# Altium PCB rev5.PcbDoc (part 4 of 4)
Units mil, origin at the board's own origin, x right, y up, seen from the top; angles counter-clockwise.
Board outline 1000 x 900 mil, 2 copper layers (Top Layer, Bottom Layer); 162 components, 16 nets, 1728 pads, 0 vias.
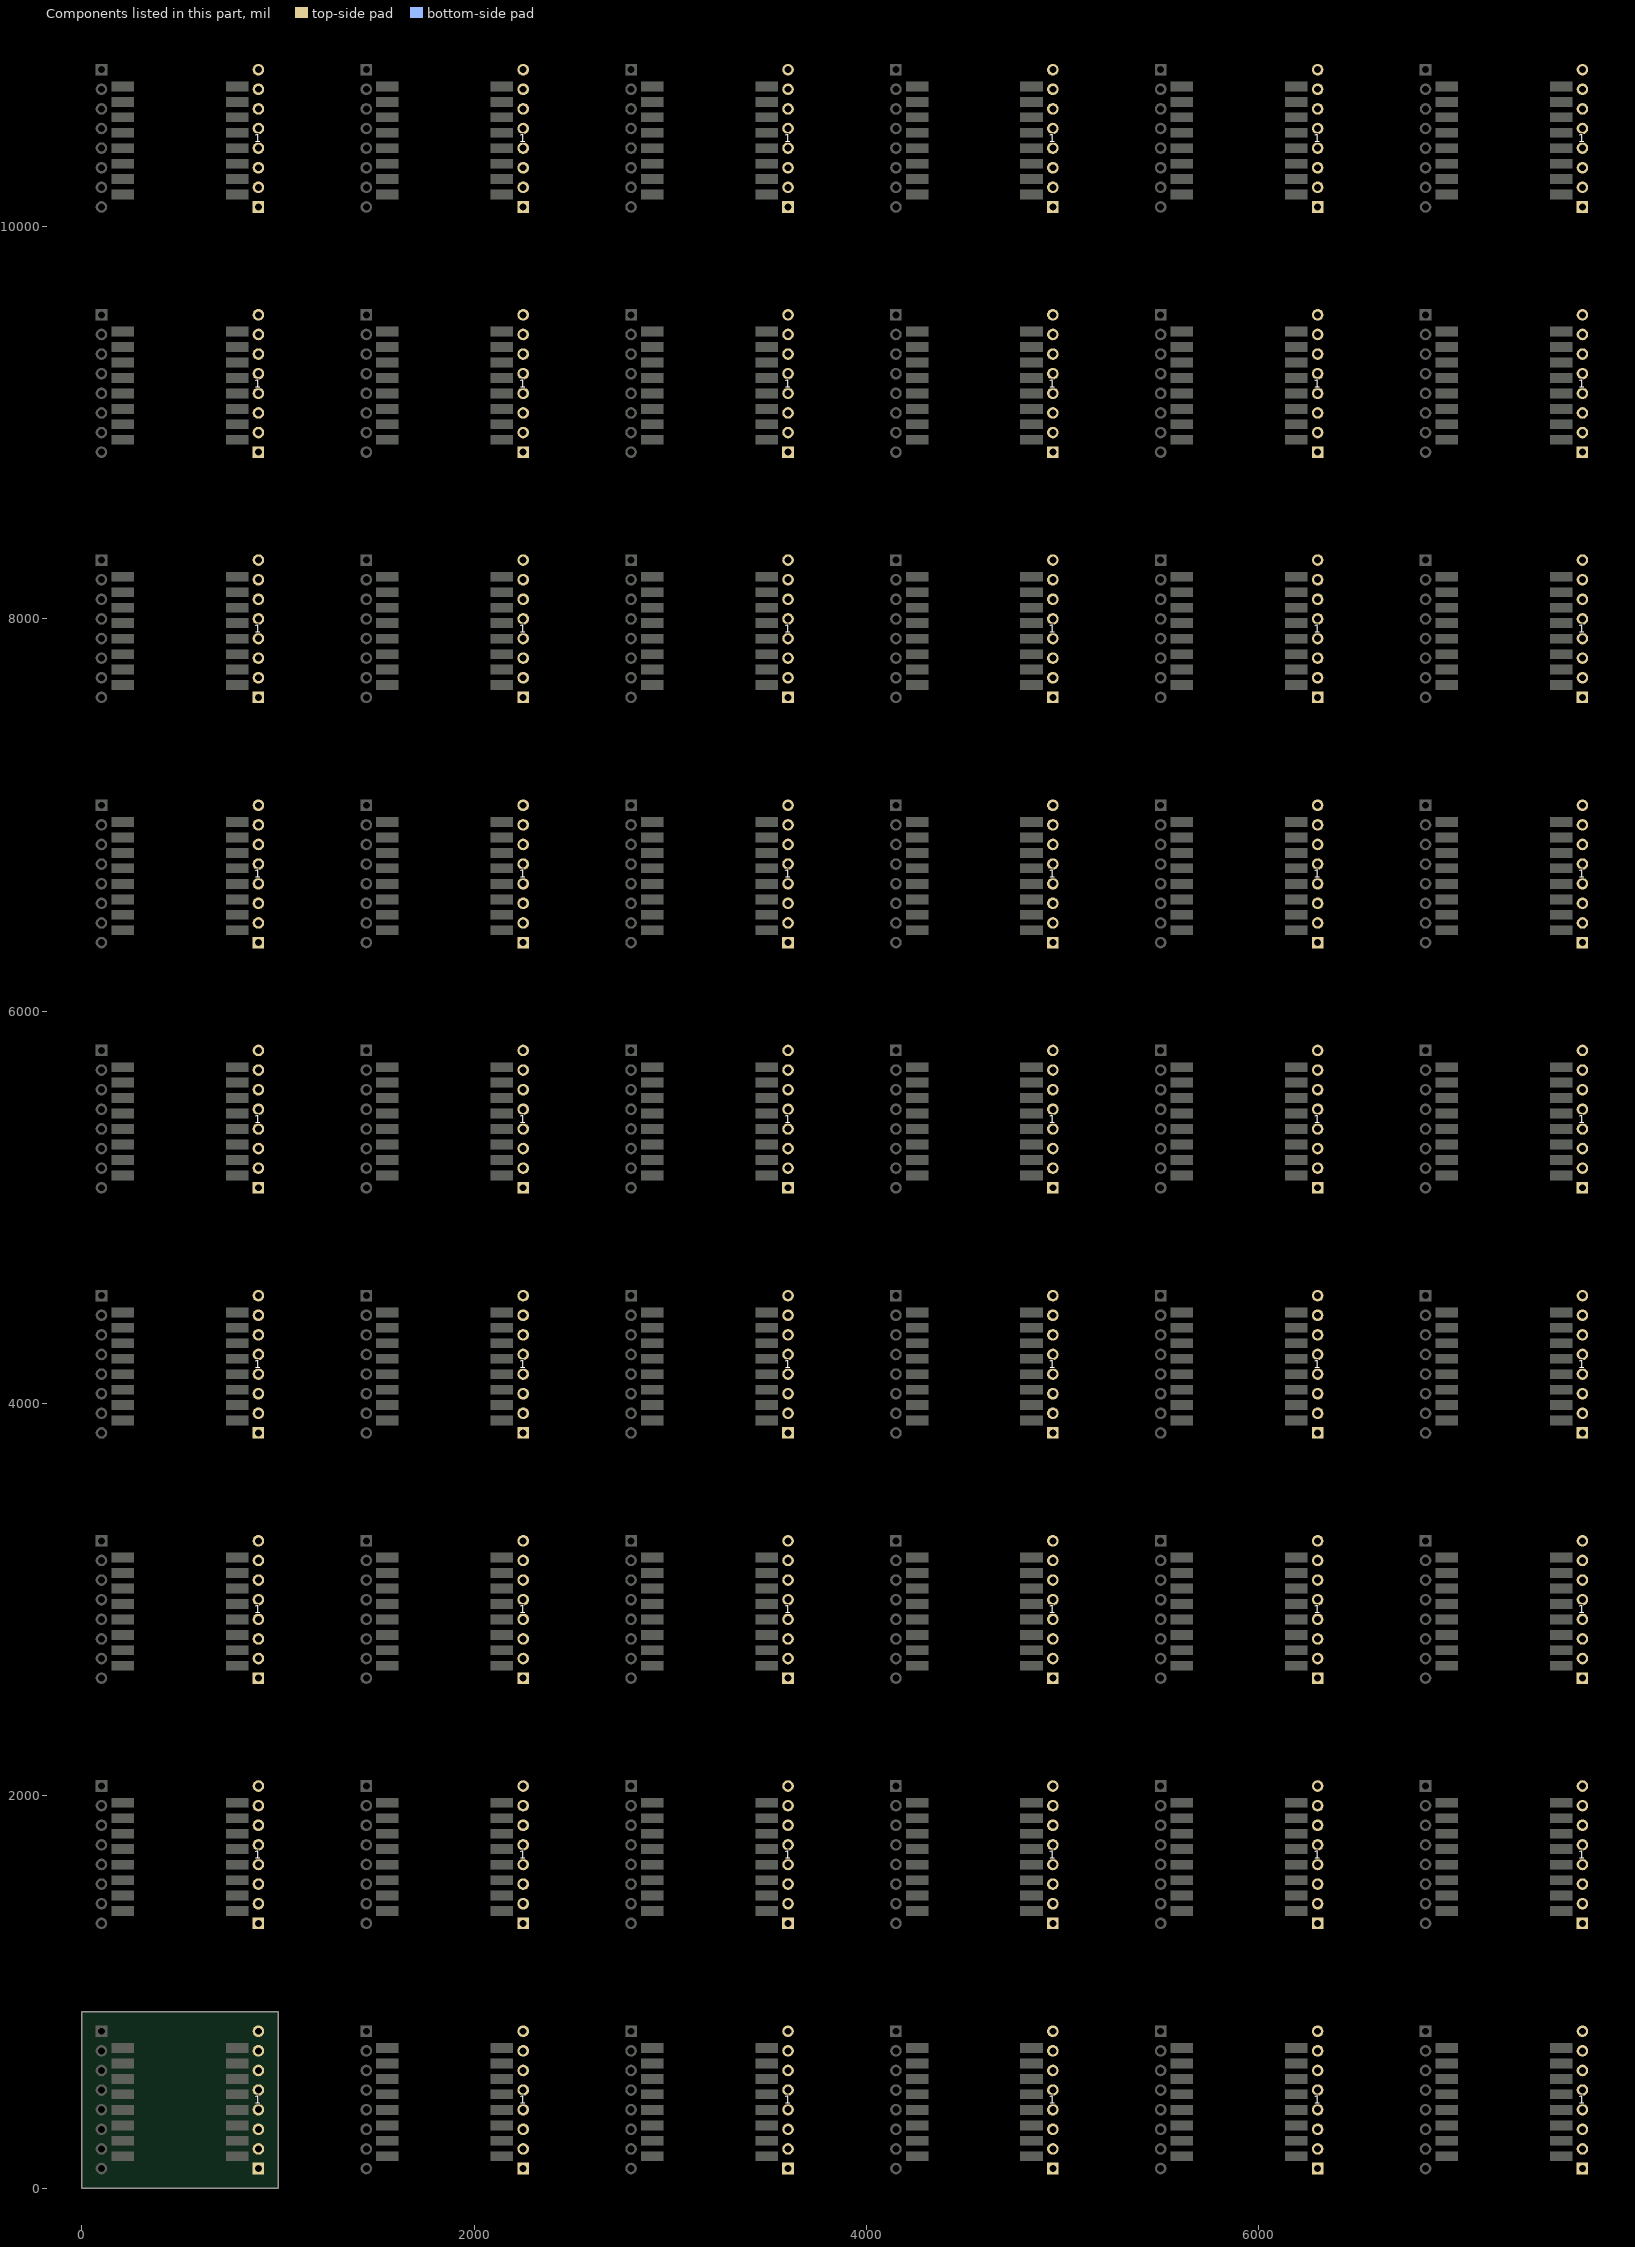
[diagram p4: the components of this part, seen from the top]

## Silkscreen, mask and mechanical layers (free items; w line width, h text height)
Top Overlay:
  text "ANT" at 38,10772 h23 r90
  text "ANT" at 1388,10772 h23 r90
  text "ANT" at 2738,10772 h23 r90
  text "ANT" at 4088,10772 h23 r90
  text "ANT" at 5438,10772 h23 r90
  text "ANT" at 6788,10772 h23 r90
  text "GND" at 987,10771 h23 r90
  text "GND" at 2337,10771 h23 r90
  text "GND" at 3687,10771 h23 r90
  text "GND" at 5037,10771 h23 r90
  text "GND" at 6387,10771 h23 r90
  text "GND" at 7737,10771 h23 r90
  text "D5" at 987,10687 h23 r90
  text "D5" at 2337,10687 h23 r90
  text "D5" at 3687,10687 h23 r90
  text "D5" at 5037,10687 h23 r90
  text "D5" at 6387,10687 h23 r90
  text "D5" at 7737,10687 h23 r90
  text "GND" at 38,10670 h23 r90
  text "GND" at 1388,10670 h23 r90
  text "GND" at 2738,10670 h23 r90
  text "GND" at 4088,10670 h23 r90
  text "GND" at 5438,10670 h23 r90
  text "GND" at 6788,10670 h23 r90
  text "D3" at 38,10582 h23 r90
  text "D3" at 1388,10582 h23 r90
  text "D3" at 2738,10582 h23 r90
  text "D3" at 4088,10582 h23 r90
  text "D3" at 5438,10582 h23 r90
  text "D3" at 6788,10582 h23 r90
  text "RST" at 987,10573 h23 r90
  text "RST" at 2337,10573 h23 r90
  text "RST" at 3687,10573 h23 r90
  text "RST" at 5037,10573 h23 r90
  text "RST" at 6387,10573 h23 r90
  text "RST" at 7737,10573 h23 r90
  text "NS" at 987,10481 h23 r90
  text "NS" at 2337,10481 h23 r90
  text "NS" at 3687,10481 h23 r90
  text "NS" at 5037,10481 h23 r90
  text "NS" at 6387,10481 h23 r90
  text "NS" at 7737,10481 h23 r90
  text "D4" at 38,10480 h23 r90
  text "D4" at 1388,10480 h23 r90
  text "D4" at 2738,10480 h23 r90
  text "D4" at 4088,10480 h23 r90
  text "D4" at 5438,10480 h23 r90
  text "D4" at 6788,10480 h23 r90
  text "SCK" at 987,10371 h23 r90
  text "SCK" at 2337,10371 h23 r90
  text "SCK" at 3687,10371 h23 r90
  text "SCK" at 5037,10371 h23 r90
  text "SCK" at 6387,10371 h23 r90
  text "SCK" at 7737,10371 h23 r90
  text "VCC" at 38,10368 h23 r90
  text "VCC" at 1388,10368 h23 r90
  text "VCC" at 2738,10368 h23 r90
  text "VCC" at 4088,10368 h23 r90
  text "VCC" at 5438,10368 h23 r90
  text "VCC" at 6788,10368 h23 r90
  text "D0" at 38,10283 h23 r90
  text "D0" at 1388,10283 h23 r90
  text "D0" at 2738,10283 h23 r90
  text "D0" at 4088,10283 h23 r90
  text "D0" at 5438,10283 h23 r90
  text "D0" at 6788,10283 h23 r90
  text "MO" at 987,10280 h23 r90
  text "MO" at 2337,10280 h23 r90
  text "MO" at 3687,10280 h23 r90
  text "MO" at 5037,10280 h23 r90
  text "MO" at 6387,10280 h23 r90
  text "MO" at 7737,10280 h23 r90
  text "MI" at 987,10189 h23 r90
  text "MI" at 2337,10189 h23 r90
  text "MI" at 3687,10189 h23 r90
  text "MI" at 5037,10189 h23 r90
  text "MI" at 6387,10189 h23 r90
  text "MI" at 7737,10189 h23 r90
  text "D1" at 38,10187 h23 r90
  text "D1" at 1388,10187 h23 r90
  text "D1" at 2738,10187 h23 r90
  text "D1" at 4088,10187 h23 r90
  text "D1" at 5438,10187 h23 r90
  text "D1" at 6788,10187 h23 r90
  text "D2" at 38,10084 h23 r90
  text "D2" at 1388,10084 h23 r90
  text "D2" at 2738,10084 h23 r90
  text "D2" at 4088,10084 h23 r90
  text "D2" at 5438,10084 h23 r90
  text "D2" at 6788,10084 h23 r90
  text "GND" at 987,10071 h23 r90
  text "GND" at 2337,10071 h23 r90
  text "GND" at 3687,10071 h23 r90
  text "GND" at 5037,10071 h23 r90
  text "GND" at 6387,10071 h23 r90
  text "GND" at 7737,10071 h23 r90
  text "LoRaWan Thailand." at 320,10055 h30
  text "LoRaWan Thailand." at 1670,10055 h30
  text "LoRaWan Thailand." at 3020,10055 h30
  text "LoRaWan Thailand." at 4370,10055 h30
  text "LoRaWan Thailand." at 5720,10055 h30
  text "LoRaWan Thailand." at 7070,10055 h30
  text "ANT" at 38,9522 h23 r90
  text "ANT" at 1388,9522 h23 r90
  text "ANT" at 2738,9522 h23 r90
  text "ANT" at 4088,9522 h23 r90
  text "ANT" at 5438,9522 h23 r90
  text "ANT" at 6788,9522 h23 r90
  text "GND" at 987,9521 h23 r90
  text "GND" at 2337,9521 h23 r90
  text "GND" at 3687,9521 h23 r90
  text "GND" at 5037,9521 h23 r90
  text "GND" at 6387,9521 h23 r90
  text "GND" at 7737,9521 h23 r90
  text "D5" at 987,9437 h23 r90
  text "D5" at 2337,9437 h23 r90
  text "D5" at 3687,9437 h23 r90
  text "D5" at 5037,9437 h23 r90
  text "D5" at 6387,9437 h23 r90
  text "D5" at 7737,9437 h23 r90
  text "GND" at 38,9420 h23 r90
  text "GND" at 1388,9420 h23 r90
  text "GND" at 2738,9420 h23 r90
  text "GND" at 4088,9420 h23 r90
  text "GND" at 5438,9420 h23 r90
  text "GND" at 6788,9420 h23 r90
  text "D3" at 38,9332 h23 r90
  text "D3" at 1388,9332 h23 r90
  text "D3" at 2738,9332 h23 r90
  text "D3" at 4088,9332 h23 r90
  text "D3" at 5438,9332 h23 r90
  text "D3" at 6788,9332 h23 r90
  text "RST" at 987,9323 h23 r90
  text "RST" at 2337,9323 h23 r90
  text "RST" at 3687,9323 h23 r90
  text "RST" at 5037,9323 h23 r90
  text "RST" at 6387,9323 h23 r90
  text "RST" at 7737,9323 h23 r90
  text "NS" at 987,9231 h23 r90
  text "NS" at 2337,9231 h23 r90
  text "NS" at 3687,9231 h23 r90
  text "NS" at 5037,9231 h23 r90
  text "NS" at 6387,9231 h23 r90
  text "NS" at 7737,9231 h23 r90
  text "D4" at 38,9230 h23 r90
  text "D4" at 1388,9230 h23 r90
  text "D4" at 2738,9230 h23 r90
  text "D4" at 4088,9230 h23 r90
  text "D4" at 5438,9230 h23 r90
  text "D4" at 6788,9230 h23 r90
  text "SCK" at 987,9121 h23 r90
  text "SCK" at 2337,9121 h23 r90
  text "SCK" at 3687,9121 h23 r90
  text "SCK" at 5037,9121 h23 r90
  text "SCK" at 6387,9121 h23 r90
  text "SCK" at 7737,9121 h23 r90
  text "VCC" at 38,9118 h23 r90
  text "VCC" at 1388,9118 h23 r90
  text "VCC" at 2738,9118 h23 r90
  text "VCC" at 4088,9118 h23 r90
  text "VCC" at 5438,9118 h23 r90
  text "VCC" at 6788,9118 h23 r90
  text "D0" at 38,9033 h23 r90
  text "D0" at 1388,9033 h23 r90
  text "D0" at 2738,9033 h23 r90
  text "D0" at 4088,9033 h23 r90
  text "D0" at 5438,9033 h23 r90
  text "D0" at 6788,9033 h23 r90
  text "MO" at 987,9030 h23 r90
  text "MO" at 2337,9030 h23 r90
  text "MO" at 3687,9030 h23 r90
  text "MO" at 5037,9030 h23 r90
  text "MO" at 6387,9030 h23 r90
  text "MO" at 7737,9030 h23 r90
  text "MI" at 987,8939 h23 r90
  text "MI" at 2337,8939 h23 r90
  text "MI" at 3687,8939 h23 r90
  text "MI" at 5037,8939 h23 r90
  text "MI" at 6387,8939 h23 r90
  text "MI" at 7737,8939 h23 r90
  text "D1" at 38,8937 h23 r90
  text "D1" at 1388,8937 h23 r90
  text "D1" at 2738,8937 h23 r90
  text "D1" at 4088,8937 h23 r90
  text "D1" at 5438,8937 h23 r90
  text "D1" at 6788,8937 h23 r90
  text "D2" at 38,8834 h23 r90
  text "D2" at 1388,8834 h23 r90
  text "D2" at 2738,8834 h23 r90
  text "D2" at 4088,8834 h23 r90
  text "D2" at 5438,8834 h23 r90
  text "D2" at 6788,8834 h23 r90
  text "GND" at 987,8821 h23 r90
  text "GND" at 2337,8821 h23 r90
  text "GND" at 3687,8821 h23 r90
  text "GND" at 5037,8821 h23 r90
  text "GND" at 6387,8821 h23 r90
  text "GND" at 7737,8821 h23 r90
  text "LoRaWan Thailand." at 320,8805 h30
  text "LoRaWan Thailand." at 1670,8805 h30
  text "LoRaWan Thailand." at 3020,8805 h30
  text "LoRaWan Thailand." at 4370,8805 h30
  text "LoRaWan Thailand." at 5720,8805 h30
  text "LoRaWan Thailand." at 7070,8805 h30
  text "ANT" at 38,8272 h23 r90
  text "ANT" at 1388,8272 h23 r90
  text "ANT" at 2738,8272 h23 r90
  text "ANT" at 4088,8272 h23 r90
  text "ANT" at 5438,8272 h23 r90
  text "ANT" at 6788,8272 h23 r90
  text "GND" at 987,8271 h23 r90
  text "GND" at 2337,8271 h23 r90
  text "GND" at 3687,8271 h23 r90
  text "GND" at 5037,8271 h23 r90
  text "GND" at 6387,8271 h23 r90
  text "GND" at 7737,8271 h23 r90
  text "D5" at 987,8187 h23 r90
  text "D5" at 2337,8187 h23 r90
  text "D5" at 3687,8187 h23 r90
  text "D5" at 5037,8187 h23 r90
  text "D5" at 6387,8187 h23 r90
  text "D5" at 7737,8187 h23 r90
  text "GND" at 38,8170 h23 r90
  text "GND" at 1388,8170 h23 r90
  text "GND" at 2738,8170 h23 r90
  text "GND" at 4088,8170 h23 r90
  text "GND" at 5438,8170 h23 r90
  text "GND" at 6788,8170 h23 r90
  text "D3" at 38,8082 h23 r90
  text "D3" at 1388,8082 h23 r90
  text "D3" at 2738,8082 h23 r90
  text "D3" at 4088,8082 h23 r90
  text "D3" at 5438,8082 h23 r90
  text "D3" at 6788,8082 h23 r90
  text "RST" at 987,8073 h23 r90
  text "RST" at 2337,8073 h23 r90
  text "RST" at 3687,8073 h23 r90
  text "RST" at 5037,8073 h23 r90
  text "RST" at 6387,8073 h23 r90
  text "RST" at 7737,8073 h23 r90
  text "NS" at 987,7981 h23 r90
  text "NS" at 2337,7981 h23 r90
  text "NS" at 3687,7981 h23 r90
  text "NS" at 5037,7981 h23 r90
  text "NS" at 6387,7981 h23 r90
  text "NS" at 7737,7981 h23 r90
  text "D4" at 38,7980 h23 r90
  text "D4" at 1388,7980 h23 r90
  text "D4" at 2738,7980 h23 r90
  text "D4" at 4088,7980 h23 r90
  text "D4" at 5438,7980 h23 r90
  text "D4" at 6788,7980 h23 r90
  text "SCK" at 987,7871 h23 r90
  text "SCK" at 2337,7871 h23 r90
  text "SCK" at 3687,7871 h23 r90
  text "SCK" at 5037,7871 h23 r90
  text "SCK" at 6387,7871 h23 r90
  text "SCK" at 7737,7871 h23 r90
  text "VCC" at 38,7868 h23 r90
  text "VCC" at 1388,7868 h23 r90
  text "VCC" at 2738,7868 h23 r90
  text "VCC" at 4088,7868 h23 r90
  text "VCC" at 5438,7868 h23 r90
  text "VCC" at 6788,7868 h23 r90
  text "D0" at 38,7783 h23 r90
  text "D0" at 1388,7783 h23 r90
  text "D0" at 2738,7783 h23 r90
  text "D0" at 4088,7783 h23 r90
  text "D0" at 5438,7783 h23 r90
  text "D0" at 6788,7783 h23 r90
  text "MO" at 987,7780 h23 r90
  text "MO" at 2337,7780 h23 r90
  text "MO" at 3687,7780 h23 r90
  text "MO" at 5037,7780 h23 r90
  text "MO" at 6387,7780 h23 r90
  text "MO" at 7737,7780 h23 r90
  text "MI" at 987,7689 h23 r90
  text "MI" at 2337,7689 h23 r90
  text "MI" at 3687,7689 h23 r90
  text "MI" at 5037,7689 h23 r90
  text "MI" at 6387,7689 h23 r90
  text "MI" at 7737,7689 h23 r90
  text "D1" at 38,7687 h23 r90
  text "D1" at 1388,7687 h23 r90
  text "D1" at 2738,7687 h23 r90
  text "D1" at 4088,7687 h23 r90
  text "D1" at 5438,7687 h23 r90
  text "D1" at 6788,7687 h23 r90
  text "D2" at 38,7584 h23 r90
  text "D2" at 1388,7584 h23 r90
  text "D2" at 2738,7584 h23 r90
  text "D2" at 4088,7584 h23 r90
  text "D2" at 5438,7584 h23 r90
  text "D2" at 6788,7584 h23 r90
  text "GND" at 987,7571 h23 r90
  text "GND" at 2337,7571 h23 r90
  text "GND" at 3687,7571 h23 r90
  text "GND" at 5037,7571 h23 r90
  text "GND" at 6387,7571 h23 r90
  text "GND" at 7737,7571 h23 r90
  text "LoRaWan Thailand." at 320,7555 h30
  text "LoRaWan Thailand." at 1670,7555 h30
  text "LoRaWan Thailand." at 3020,7555 h30
  text "LoRaWan Thailand." at 4370,7555 h30
  text "LoRaWan Thailand." at 5720,7555 h30
  text "LoRaWan Thailand." at 7070,7555 h30
  text "ANT" at 38,7022 h23 r90
  text "ANT" at 1388,7022 h23 r90
  text "ANT" at 2738,7022 h23 r90
  text "ANT" at 4088,7022 h23 r90
  text "ANT" at 5438,7022 h23 r90
  text "ANT" at 6788,7022 h23 r90
  text "GND" at 987,7021 h23 r90
  text "GND" at 2337,7021 h23 r90
  text "GND" at 3687,7021 h23 r90
  text "GND" at 5037,7021 h23 r90
  text "GND" at 6387,7021 h23 r90
  text "GND" at 7737,7021 h23 r90
  text "D5" at 987,6937 h23 r90
  text "D5" at 2337,6937 h23 r90
  text "D5" at 3687,6937 h23 r90
  text "D5" at 5037,6937 h23 r90
  text "D5" at 6387,6937 h23 r90
  text "D5" at 7737,6937 h23 r90
  text "GND" at 38,6920 h23 r90
  text "GND" at 1388,6920 h23 r90
  text "GND" at 2738,6920 h23 r90
  text "GND" at 4088,6920 h23 r90
  text "GND" at 5438,6920 h23 r90
  text "GND" at 6788,6920 h23 r90
  text "D3" at 38,6832 h23 r90
  text "D3" at 1388,6832 h23 r90
  text "D3" at 2738,6832 h23 r90
  text "D3" at 4088,6832 h23 r90
  text "D3" at 5438,6832 h23 r90
  text "D3" at 6788,6832 h23 r90
  text "RST" at 987,6823 h23 r90
  text "RST" at 2337,6823 h23 r90
  text "RST" at 3687,6823 h23 r90
  text "RST" at 5037,6823 h23 r90
  text "RST" at 6387,6823 h23 r90
  text "RST" at 7737,6823 h23 r90
  text "NS" at 987,6731 h23 r90
  text "NS" at 2337,6731 h23 r90
  text "NS" at 3687,6731 h23 r90
  text "NS" at 5037,6731 h23 r90
  text "NS" at 6387,6731 h23 r90
  text "NS" at 7737,6731 h23 r90
  text "D4" at 38,6730 h23 r90
  text "D4" at 1388,6730 h23 r90
  text "D4" at 2738,6730 h23 r90
  text "D4" at 4088,6730 h23 r90
  text "D4" at 5438,6730 h23 r90
  text "D4" at 6788,6730 h23 r90
  text "SCK" at 987,6621 h23 r90
  text "SCK" at 2337,6621 h23 r90
  text "SCK" at 3687,6621 h23 r90
  text "SCK" at 5037,6621 h23 r90
  text "SCK" at 6387,6621 h23 r90
  text "SCK" at 7737,6621 h23 r90
  text "VCC" at 38,6618 h23 r90
  text "VCC" at 1388,6618 h23 r90
  text "VCC" at 2738,6618 h23 r90
  text "VCC" at 4088,6618 h23 r90
  text "VCC" at 5438,6618 h23 r90
  text "VCC" at 6788,6618 h23 r90
  text "D0" at 38,6533 h23 r90
  text "D0" at 1388,6533 h23 r90
  text "D0" at 2738,6533 h23 r90
  text "D0" at 4088,6533 h23 r90
  text "D0" at 5438,6533 h23 r90
  text "D0" at 6788,6533 h23 r90
  text "MO" at 987,6530 h23 r90
  text "MO" at 2337,6530 h23 r90
  text "MO" at 3687,6530 h23 r90
  text "MO" at 5037,6530 h23 r90
  text "MO" at 6387,6530 h23 r90
  text "MO" at 7737,6530 h23 r90
  text "MI" at 987,6439 h23 r90
  text "MI" at 2337,6439 h23 r90
  text "MI" at 3687,6439 h23 r90
  text "MI" at 5037,6439 h23 r90
  text "MI" at 6387,6439 h23 r90
  text "MI" at 7737,6439 h23 r90
  text "D1" at 38,6437 h23 r90
  text "D1" at 1388,6437 h23 r90
  text "D1" at 2738,6437 h23 r90
  text "D1" at 4088,6437 h23 r90
  text "D1" at 5438,6437 h23 r90
  text "D1" at 6788,6437 h23 r90
  text "D2" at 38,6334 h23 r90
  text "D2" at 1388,6334 h23 r90
  text "D2" at 2738,6334 h23 r90
  text "D2" at 4088,6334 h23 r90
  text "D2" at 5438,6334 h23 r90
  text "D2" at 6788,6334 h23 r90
  text "GND" at 987,6321 h23 r90
  text "GND" at 2337,6321 h23 r90
  text "GND" at 3687,6321 h23 r90
  text "GND" at 5037,6321 h23 r90
  text "GND" at 6387,6321 h23 r90
  text "GND" at 7737,6321 h23 r90
  text "LoRaWan Thailand." at 320,6305 h30
  text "LoRaWan Thailand." at 1670,6305 h30
  text "LoRaWan Thailand." at 3020,6305 h30
  text "LoRaWan Thailand." at 4370,6305 h30
  text "LoRaWan Thailand." at 5720,6305 h30
  text "LoRaWan Thailand." at 7070,6305 h30
  text "ANT" at 38,5772 h23 r90
  text "ANT" at 1388,5772 h23 r90
  text "ANT" at 2738,5772 h23 r90
  text "ANT" at 4088,5772 h23 r90
  text "ANT" at 5438,5772 h23 r90
  text "ANT" at 6788,5772 h23 r90
  text "GND" at 987,5771 h23 r90
  text "GND" at 2337,5771 h23 r90
  text "GND" at 3687,5771 h23 r90
  text "GND" at 5037,5771 h23 r90
  text "GND" at 6387,5771 h23 r90
  text "GND" at 7737,5771 h23 r90
  text "D5" at 987,5687 h23 r90
  text "D5" at 2337,5687 h23 r90
  text "D5" at 3687,5687 h23 r90
  text "D5" at 5037,5687 h23 r90
  text "D5" at 6387,5687 h23 r90
  text "D5" at 7737,5687 h23 r90
  text "GND" at 38,5670 h23 r90
  text "GND" at 1388,5670 h23 r90
  text "GND" at 2738,5670 h23 r90
  text "GND" at 4088,5670 h23 r90
  text "GND" at 5438,5670 h23 r90
  text "GND" at 6788,5670 h23 r90
  text "D3" at 38,5582 h23 r90
  text "D3" at 1388,5582 h23 r90
  text "D3" at 2738,5582 h23 r90
  text "D3" at 4088,5582 h23 r90
  text "D3" at 5438,5582 h23 r90
  text "D3" at 6788,5582 h23 r90
  text "RST" at 987,5573 h23 r90
  text "RST" at 2337,5573 h23 r90
  text "RST" at 3687,5573 h23 r90
  text "RST" at 5037,5573 h23 r90
  text "RST" at 6387,5573 h23 r90
  text "RST" at 7737,5573 h23 r90
  text "NS" at 987,5481 h23 r90
  text "NS" at 2337,5481 h23 r90
  text "NS" at 3687,5481 h23 r90
  text "NS" at 5037,5481 h23 r90
  text "NS" at 6387,5481 h23 r90
  text "NS" at 7737,5481 h23 r90
  text "D4" at 38,5480 h23 r90
  text "D4" at 1388,5480 h23 r90
  text "D4" at 2738,5480 h23 r90
  text "D4" at 4088,5480 h23 r90
  text "D4" at 5438,5480 h23 r90
  text "D4" at 6788,5480 h23 r90
  text "SCK" at 987,5371 h23 r90
  text "SCK" at 2337,5371 h23 r90
  text "SCK" at 3687,5371 h23 r90
  text "SCK" at 5037,5371 h23 r90
  text "SCK" at 6387,5371 h23 r90
  text "SCK" at 7737,5371 h23 r90
  text "VCC" at 38,5368 h23 r90
  text "VCC" at 1388,5368 h23 r90
  text "VCC" at 2738,5368 h23 r90
  text "VCC" at 4088,5368 h23 r90
  text "VCC" at 5438,5368 h23 r90
  text "VCC" at 6788,5368 h23 r90
  text "D0" at 38,5283 h23 r90
  text "D0" at 1388,5283 h23 r90
  text "D0" at 2738,5283 h23 r90
  text "D0" at 4088,5283 h23 r90
  text "D0" at 5438,5283 h23 r90
  text "D0" at 6788,5283 h23 r90
  text "MO" at 987,5280 h23 r90
  text "MO" at 2337,5280 h23 r90
  text "MO" at 3687,5280 h23 r90
  text "MO" at 5037,5280 h23 r90
  text "MO" at 6387,5280 h23 r90
  text "MO" at 7737,5280 h23 r90
  text "MI" at 987,5189 h23 r90
  text "MI" at 2337,5189 h23 r90
  text "MI" at 3687,5189 h23 r90
  text "MI" at 5037,5189 h23 r90
  text "MI" at 6387,5189 h23 r90
  text "MI" at 7737,5189 h23 r90
  text "D1" at 38,5187 h23 r90
  text "D1" at 1388,5187 h23 r90
  text "D1" at 2738,5187 h23 r90
  text "D1" at 4088,5187 h23 r90
  text "D1" at 5438,5187 h23 r90
  text "D1" at 6788,5187 h23 r90
  text "D2" at 38,5084 h23 r90
  text "D2" at 1388,5084 h23 r90
  text "D2" at 2738,5084 h23 r90
  text "D2" at 4088,5084 h23 r90
  text "D2" at 5438,5084 h23 r90
  text "D2" at 6788,5084 h23 r90
  text "GND" at 987,5071 h23 r90
  text "GND" at 2337,5071 h23 r90
  text "GND" at 3687,5071 h23 r90
  text "GND" at 5037,5071 h23 r90
  text "GND" at 6387,5071 h23 r90
  text "GND" at 7737,5071 h23 r90
  text "LoRaWan Thailand." at 320,5055 h30
  text "LoRaWan Thailand." at 1670,5055 h30
  text "LoRaWan Thailand." at 3020,5055 h30
  text "LoRaWan Thailand." at 4370,5055 h30
  text "LoRaWan Thailand." at 5720,5055 h30
  text "LoRaWan Thailand." at 7070,5055 h30
  text "ANT" at 38,4522 h23 r90
  text "ANT" at 1388,4522 h23 r90
  text "ANT" at 2738,4522 h23 r90
  text "ANT" at 4088,4522 h23 r90
  text "ANT" at 5438,4522 h23 r90
  text "ANT" at 6788,4522 h23 r90
  text "GND" at 987,4521 h23 r90
  text "GND" at 2337,4521 h23 r90
  text "GND" at 3687,4521 h23 r90
  text "GND" at 5037,4521 h23 r90
  text "GND" at 6387,4521 h23 r90
  text "GND" at 7737,4521 h23 r90
  text "D5" at 987,4437 h23 r90
  text "D5" at 2337,4437 h23 r90
  text "D5" at 3687,4437 h23 r90
  text "D5" at 5037,4437 h23 r90
  text "D5" at 6387,4437 h23 r90
  text "D5" at 7737,4437 h23 r90
  text "GND" at 38,4420 h23 r90
  text "GND" at 1388,4420 h23 r90
  text "GND" at 2738,4420 h23 r90
  text "GND" at 4088,4420 h23 r90
  text "GND" at 5438,4420 h23 r90
  text "GND" at 6788,4420 h23 r90
  text "D3" at 38,4332 h23 r90
  text "D3" at 1388,4332 h23 r90
  text "D3" at 2738,4332 h23 r90
  text "D3" at 4088,4332 h23 r90
  text "D3" at 5438,4332 h23 r90
  text "D3" at 6788,4332 h23 r90
  text "RST" at 987,4323 h23 r90
  text "RST" at 2337,4323 h23 r90
  text "RST" at 3687,4323 h23 r90
  text "RST" at 5037,4323 h23 r90
  text "RST" at 6387,4323 h23 r90
  text "RST" at 7737,4323 h23 r90
  text "NS" at 987,4231 h23 r90
  text "NS" at 2337,4231 h23 r90
  text "NS" at 3687,4231 h23 r90
  text "NS" at 5037,4231 h23 r90
  text "NS" at 6387,4231 h23 r90
  text "NS" at 7737,4231 h23 r90
  text "D4" at 38,4230 h23 r90
  text "D4" at 1388,4230 h23 r90
  text "D4" at 2738,4230 h23 r90
  text "D4" at 4088,4230 h23 r90
  text "D4" at 5438,4230 h23 r90
  text "D4" at 6788,4230 h23 r90
  text "SCK" at 987,4121 h23 r90
  text "SCK" at 2337,4121 h23 r90
  text "SCK" at 3687,4121 h23 r90
  text "SCK" at 5037,4121 h23 r90
  text "SCK" at 6387,4121 h23 r90
  text "SCK" at 7737,4121 h23 r90
  text "VCC" at 38,4118 h23 r90
  text "VCC" at 1388,4118 h23 r90
  text "VCC" at 2738,4118 h23 r90
  text "VCC" at 4088,4118 h23 r90
  text "VCC" at 5438,4118 h23 r90
  text "VCC" at 6788,4118 h23 r90
  text "D0" at 38,4033 h23 r90
  text "D0" at 1388,4033 h23 r90
  text "D0" at 2738,4033 h23 r90
  text "D0" at 4088,4033 h23 r90
  text "D0" at 5438,4033 h23 r90
  text "D0" at 6788,4033 h23 r90
  text "MO" at 987,4030 h23 r90
  text "MO" at 2337,4030 h23 r90
  text "MO" at 3687,4030 h23 r90
  text "MO" at 5037,4030 h23 r90
  text "MO" at 6387,4030 h23 r90
  text "MO" at 7737,4030 h23 r90
  text "MI" at 987,3939 h23 r90
  text "MI" at 2337,3939 h23 r90
  text "MI" at 3687,3939 h23 r90
  text "MI" at 5037,3939 h23 r90
  text "MI" at 6387,3939 h23 r90
  text "MI" at 7737,3939 h23 r90
  text "D1" at 38,3937 h23 r90
  text "D1" at 1388,3937 h23 r90
  text "D1" at 2738,3937 h23 r90
  text "D1" at 4088,3937 h23 r90
  text "D1" at 5438,3937 h23 r90
  text "D1" at 6788,3937 h23 r90
  text "D2" at 38,3834 h23 r90
  text "D2" at 1388,3834 h23 r90
  text "D2" at 2738,3834 h23 r90
  text "D2" at 4088,3834 h23 r90
  text "D2" at 5438,3834 h23 r90
  text "D2" at 6788,3834 h23 r90
  text "GND" at 987,3821 h23 r90
  text "GND" at 2337,3821 h23 r90
  text "GND" at 3687,3821 h23 r90
  text "GND" at 5037,3821 h23 r90
  text "GND" at 6387,3821 h23 r90
  text "GND" at 7737,3821 h23 r90
  text "LoRaWan Thailand." at 320,3805 h30
  text "LoRaWan Thailand." at 1670,3805 h30
  text "LoRaWan Thailand." at 3020,3805 h30
  text "LoRaWan Thailand." at 4370,3805 h30
  text "LoRaWan Thailand." at 5720,3805 h30
  text "LoRaWan Thailand." at 7070,3805 h30
  text "ANT" at 38,3272 h23 r90
  text "ANT" at 1388,3272 h23 r90
  text "ANT" at 2738,3272 h23 r90
  text "ANT" at 4088,3272 h23 r90
  text "ANT" at 5438,3272 h23 r90
  text "ANT" at 6788,3272 h23 r90
  text "GND" at 987,3271 h23 r90
  text "GND" at 2337,3271 h23 r90
  text "GND" at 3687,3271 h23 r90
  text "GND" at 5037,3271 h23 r90
  text "GND" at 6387,3271 h23 r90
  text "GND" at 7737,3271 h23 r90
  text "D5" at 987,3187 h23 r90
  text "D5" at 2337,3187 h23 r90
  text "D5" at 3687,3187 h23 r90
  text "D5" at 5037,3187 h23 r90
  text "D5" at 6387,3187 h23 r90
  text "D5" at 7737,3187 h23 r90
  text "GND" at 38,3170 h23 r90
  text "GND" at 1388,3170 h23 r90
  text "GND" at 2738,3170 h23 r90
  text "GND" at 4088,3170 h23 r90
  text "GND" at 5438,3170 h23 r90
  text "GND" at 6788,3170 h23 r90
  text "D3" at 38,3082 h23 r90
  text "D3" at 1388,3082 h23 r90
  text "D3" at 2738,3082 h23 r90
  text "D3" at 4088,3082 h23 r90
  text "D3" at 5438,3082 h23 r90
  text "D3" at 6788,3082 h23 r90
  text "RST" at 987,3073 h23 r90
  text "RST" at 2337,3073 h23 r90
  text "RST" at 3687,3073 h23 r90
  text "RST" at 5037,3073 h23 r90
  text "RST" at 6387,3073 h23 r90
  text "RST" at 7737,3073 h23 r90
  text "NS" at 987,2981 h23 r90
  text "NS" at 2337,2981 h23 r90
  text "NS" at 3687,2981 h23 r90
  text "NS" at 5037,2981 h23 r90
  text "NS" at 6387,2981 h23 r90
  text "NS" at 7737,2981 h23 r90
  text "D4" at 38,2980 h23 r90
  text "D4" at 1388,2980 h23 r90
  text "D4" at 2738,2980 h23 r90
  text "D4" at 4088,2980 h23 r90
  text "D4" at 5438,2980 h23 r90
  text "D4" at 6788,2980 h23 r90
  text "SCK" at 987,2871 h23 r90
  text "SCK" at 2337,2871 h23 r90
  text "SCK" at 3687,2871 h23 r90
  text "SCK" at 5037,2871 h23 r90
  text "SCK" at 6387,2871 h23 r90
  text "SCK" at 7737,2871 h23 r90
  text "VCC" at 38,2868 h23 r90
  text "VCC" at 1388,2868 h23 r90
  text "VCC" at 2738,2868 h23 r90
  text "VCC" at 4088,2868 h23 r90
  text "VCC" at 5438,2868 h23 r90
  text "VCC" at 6788,2868 h23 r90
  text "D0" at 38,2783 h23 r90
  text "D0" at 1388,2783 h23 r90
  text "D0" at 2738,2783 h23 r90
  text "D0" at 4088,2783 h23 r90
  text "D0" at 5438,2783 h23 r90
  text "D0" at 6788,2783 h23 r90
  text "MO" at 987,2780 h23 r90
  text "MO" at 2337,2780 h23 r90
  text "MO" at 3687,2780 h23 r90
  text "MO" at 5037,2780 h23 r90
  text "MO" at 6387,2780 h23 r90
  text "MO" at 7737,2780 h23 r90
  text "MI" at 987,2689 h23 r90
  text "MI" at 2337,2689 h23 r90
  text "MI" at 3687,2689 h23 r90
  text "MI" at 5037,2689 h23 r90
  text "MI" at 6387,2689 h23 r90
  text "MI" at 7737,2689 h23 r90
  text "D1" at 38,2687 h23 r90
  text "D1" at 1388,2687 h23 r90
  text "D1" at 2738,2687 h23 r90
  text "D1" at 4088,2687 h23 r90
  text "D1" at 5438,2687 h23 r90
  text "D1" at 6788,2687 h23 r90
  text "D2" at 38,2584 h23 r90
  text "D2" at 1388,2584 h23 r90
  text "D2" at 2738,2584 h23 r90
  text "D2" at 4088,2584 h23 r90
  text "D2" at 5438,2584 h23 r90
  text "D2" at 6788,2584 h23 r90
  text "GND" at 987,2571 h23 r90
  text "GND" at 2337,2571 h23 r90
  text "GND" at 3687,2571 h23 r90
  text "GND" at 5037,2571 h23 r90
  text "GND" at 6387,2571 h23 r90
  text "GND" at 7737,2571 h23 r90
  text "LoRaWan Thailand." at 320,2555 h30
  text "LoRaWan Thailand." at 1670,2555 h30
  text "LoRaWan Thailand." at 3020,2555 h30
  text "LoRaWan Thailand." at 4370,2555 h30
  text "LoRaWan Thailand." at 5720,2555 h30
  text "LoRaWan Thailand." at 7070,2555 h30
  text "ANT" at 38,2022 h23 r90
  text "ANT" at 1388,2022 h23 r90
  text "ANT" at 2738,2022 h23 r90
  text "ANT" at 4088,2022 h23 r90
  text "ANT" at 5438,2022 h23 r90
  text "ANT" at 6788,2022 h23 r90
  text "GND" at 987,2021 h23 r90
  text "GND" at 2337,2021 h23 r90
  text "GND" at 3687,2021 h23 r90
  text "GND" at 5037,2021 h23 r90
  text "GND" at 6387,2021 h23 r90
  text "GND" at 7737,2021 h23 r90
  text "D5" at 987,1937 h23 r90
  text "D5" at 2337,1937 h23 r90
  text "D5" at 3687,1937 h23 r90
  text "D5" at 5037,1937 h23 r90
  text "D5" at 6387,1937 h23 r90
  text "D5" at 7737,1937 h23 r90
  text "GND" at 38,1920 h23 r90
  text "GND" at 1388,1920 h23 r90
  text "GND" at 2738,1920 h23 r90
  text "GND" at 4088,1920 h23 r90
  text "GND" at 5438,1920 h23 r90
  text "GND" at 6788,1920 h23 r90
  text "D3" at 38,1832 h23 r90
  text "D3" at 1388,1832 h23 r90
  text "D3" at 2738,1832 h23 r90
  text "D3" at 4088,1832 h23 r90
  text "D3" at 5438,1832 h23 r90
  text "D3" at 6788,1832 h23 r90
  text "RST" at 987,1823 h23 r90
  text "RST" at 2337,1823 h23 r90
  text "RST" at 3687,1823 h23 r90
  text "RST" at 5037,1823 h23 r90
  text "RST" at 6387,1823 h23 r90
  text "RST" at 7737,1823 h23 r90
  text "NS" at 987,1731 h23 r90
  text "NS" at 2337,1731 h23 r90
  text "NS" at 3687,1731 h23 r90
  text "NS" at 5037,1731 h23 r90
  text "NS" at 6387,1731 h23 r90
  text "NS" at 7737,1731 h23 r90
  text "D4" at 38,1730 h23 r90
  text "D4" at 1388,1730 h23 r90
  text "D4" at 2738,1730 h23 r90
  text "D4" at 4088,1730 h23 r90
  text "D4" at 5438,1730 h23 r90
  text "D4" at 6788,1730 h23 r90
  text "SCK" at 987,1621 h23 r90
  text "SCK" at 2337,1621 h23 r90
  text "SCK" at 3687,1621 h23 r90
  text "SCK" at 5037,1621 h23 r90
  text "SCK" at 6387,1621 h23 r90
  text "SCK" at 7737,1621 h23 r90
  text "VCC" at 38,1618 h23 r90
  text "VCC" at 1388,1618 h23 r90
  text "VCC" at 2738,1618 h23 r90
  text "VCC" at 4088,1618 h23 r90
  text "VCC" at 5438,1618 h23 r90
  text "VCC" at 6788,1618 h23 r90
  text "D0" at 38,1533 h23 r90
  text "D0" at 1388,1533 h23 r90
  text "D0" at 2738,1533 h23 r90
  text "D0" at 4088,1533 h23 r90
  text "D0" at 5438,1533 h23 r90
  text "D0" at 6788,1533 h23 r90
  text "MO" at 987,1530 h23 r90
  text "MO" at 2337,1530 h23 r90
  text "MO" at 3687,1530 h23 r90
  text "MO" at 5037,1530 h23 r90
  text "MO" at 6387,1530 h23 r90
  text "MO" at 7737,1530 h23 r90
  text "MI" at 987,1439 h23 r90
  text "MI" at 2337,1439 h23 r90
  text "MI" at 3687,1439 h23 r90
  text "MI" at 5037,1439 h23 r90
  text "MI" at 6387,1439 h23 r90
  text "MI" at 7737,1439 h23 r90
  text "D1" at 38,1437 h23 r90
  text "D1" at 1388,1437 h23 r90
  text "D1" at 2738,1437 h23 r90
  text "D1" at 4088,1437 h23 r90
  text "D1" at 5438,1437 h23 r90
  text "D1" at 6788,1437 h23 r90
  text "D2" at 38,1334 h23 r90
  text "D2" at 1388,1334 h23 r90
  text "D2" at 2738,1334 h23 r90
  text "D2" at 4088,1334 h23 r90
  text "D2" at 5438,1334 h23 r90
  text "D2" at 6788,1334 h23 r90
  text "GND" at 987,1321 h23 r90
  text "GND" at 2337,1321 h23 r90
  text "GND" at 3687,1321 h23 r90
  text "GND" at 5037,1321 h23 r90
  text "GND" at 6387,1321 h23 r90
  text "GND" at 7737,1321 h23 r90
  text "LoRaWan Thailand." at 320,1305 h30
  text "LoRaWan Thailand." at 1670,1305 h30
  text "LoRaWan Thailand." at 3020,1305 h30
  text "LoRaWan Thailand." at 4370,1305 h30
  text "LoRaWan Thailand." at 5720,1305 h30
  text "LoRaWan Thailand." at 7070,1305 h30
  text "ANT" at 38,772 h23 r90
  text "ANT" at 1388,772 h23 r90
  text "ANT" at 2738,772 h23 r90
  text "ANT" at 4088,772 h23 r90
  text "ANT" at 5438,772 h23 r90
  text "ANT" at 6788,772 h23 r90
  text "GND" at 987,771 h23 r90
  text "GND" at 2337,771 h23 r90
  text "GND" at 3687,771 h23 r90
  text "GND" at 5037,771 h23 r90
  text "GND" at 6387,771 h23 r90
  text "GND" at 7737,771 h23 r90
  text "D5" at 987,687 h23 r90
  text "D5" at 2337,687 h23 r90
  text "D5" at 3687,687 h23 r90
  text "D5" at 5037,687 h23 r90
  text "D5" at 6387,687 h23 r90
  text "D5" at 7737,687 h23 r90
  text "GND" at 38,670 h23 r90
  text "GND" at 1388,670 h23 r90
  text "GND" at 2738,670 h23 r90
  text "GND" at 4088,670 h23 r90
  text "GND" at 5438,670 h23 r90
  text "GND" at 6788,670 h23 r90
  text "D3" at 38,582 h23 r90
  text "D3" at 1388,582 h23 r90
  text "D3" at 2738,582 h23 r90
  text "D3" at 4088,582 h23 r90
  text "D3" at 5438,582 h23 r90
  text "D3" at 6788,582 h23 r90
  text "RST" at 987,573 h23 r90
  text "RST" at 2337,573 h23 r90
  text "RST" at 3687,573 h23 r90
  text "RST" at 5037,573 h23 r90
  text "RST" at 6387,573 h23 r90
  text "RST" at 7737,573 h23 r90
  text "NS" at 987,481 h23 r90
  text "NS" at 2337,481 h23 r90
  text "NS" at 3687,481 h23 r90
  text "NS" at 5037,481 h23 r90
  text "NS" at 6387,481 h23 r90
  text "NS" at 7737,481 h23 r90
  text "D4" at 38,480 h23 r90
  text "D4" at 1388,480 h23 r90
  text "D4" at 2738,480 h23 r90
  text "D4" at 4088,480 h23 r90
  text "D4" at 5438,480 h23 r90
  text "D4" at 6788,480 h23 r90
  text "SCK" at 987,371 h23 r90
  text "SCK" at 2337,371 h23 r90
  text "SCK" at 3687,371 h23 r90
  text "SCK" at 5037,371 h23 r90
  text "SCK" at 6387,371 h23 r90
  text "SCK" at 7737,371 h23 r90
  text "VCC" at 38,368 h23 r90
  text "VCC" at 1388,368 h23 r90
  text "VCC" at 2738,368 h23 r90
  text "VCC" at 4088,368 h23 r90
  text "VCC" at 5438,368 h23 r90
  text "VCC" at 6788,368 h23 r90
  text "D0" at 38,283 h23 r90
  text "D0" at 1388,283 h23 r90
  text "D0" at 2738,283 h23 r90
  text "D0" at 4088,283 h23 r90
  text "D0" at 5438,283 h23 r90
  text "D0" at 6788,283 h23 r90
  text "MO" at 987,280 h23 r90
  text "MO" at 2337,280 h23 r90
  text "MO" at 3687,280 h23 r90
  text "MO" at 5037,280 h23 r90
  text "MO" at 6387,280 h23 r90
  text "MO" at 7737,280 h23 r90
  text "MI" at 987,189 h23 r90
  text "MI" at 2337,189 h23 r90
  text "MI" at 3687,189 h23 r90
  text "MI" at 5037,189 h23 r90
  text "MI" at 6387,189 h23 r90
  text "MI" at 7737,189 h23 r90
  text "D1" at 38,187 h23 r90
  text "D1" at 1388,187 h23 r90
  text "D1" at 2738,187 h23 r90
  text "D1" at 4088,187 h23 r90
  text "D1" at 5438,187 h23 r90
  text "D1" at 6788,187 h23 r90
  text "D2" at 38,84 h23 r90
  text "D2" at 1388,84 h23 r90
  text "D2" at 2738,84 h23 r90
  text "D2" at 4088,84 h23 r90
  text "D2" at 5438,84 h23 r90
  text "D2" at 6788,84 h23 r90
  text "GND" at 987,71 h23 r90
  text "GND" at 2337,71 h23 r90
  text "GND" at 3687,71 h23 r90
  text "GND" at 5037,71 h23 r90
  text "GND" at 6387,71 h23 r90
  text "GND" at 7737,71 h23 r90
  text "LoRaWan Thailand." at 320,55 h30
  text "LoRaWan Thailand." at 1670,55 h30
  text "LoRaWan Thailand." at 3020,55 h30
  text "LoRaWan Thailand." at 4370,55 h30
  text "LoRaWan Thailand." at 5720,55 h30
  text "LoRaWan Thailand." at 7070,55 h30
Mechanical 1:
  drawing of 216 lines, arcs and shapes, not listed
Mechanical 2:
  text "RFM9x" at 400,10800 h50
  text "RFM9x" at 1750,10800 h50
  text "RFM9x" at 3100,10800 h50
  text "RFM9x" at 4450,10800 h50
  text "RFM9x" at 5800,10800 h50
  text "RFM9x" at 7150,10800 h50
  text "RFM9x" at 400,9550 h50
  text "RFM9x" at 1750,9550 h50
  text "RFM9x" at 3100,9550 h50
  text "RFM9x" at 4450,9550 h50
  text "RFM9x" at 5800,9550 h50
  text "RFM9x" at 7150,9550 h50
  text "RFM9x" at 400,8300 h50
  text "RFM9x" at 1750,8300 h50
  text "RFM9x" at 3100,8300 h50
  text "RFM9x" at 4450,8300 h50
  text "RFM9x" at 5800,8300 h50
  text "RFM9x" at 7150,8300 h50
  text "RFM9x" at 400,7050 h50
  text "RFM9x" at 1750,7050 h50
  text "RFM9x" at 3100,7050 h50
  text "RFM9x" at 4450,7050 h50
  text "RFM9x" at 5800,7050 h50
  text "RFM9x" at 7150,7050 h50
  text "RFM9x" at 400,5800 h50
  text "RFM9x" at 1750,5800 h50
  text "RFM9x" at 3100,5800 h50
  text "RFM9x" at 4450,5800 h50
  text "RFM9x" at 5800,5800 h50
  text "RFM9x" at 7150,5800 h50
  text "RFM9x" at 400,4550 h50
  text "RFM9x" at 1750,4550 h50
  text "RFM9x" at 3100,4550 h50
  text "RFM9x" at 4450,4550 h50
  text "RFM9x" at 5800,4550 h50
  text "RFM9x" at 7150,4550 h50
  text "RFM9x" at 400,3300 h50
  text "RFM9x" at 1750,3300 h50
  text "RFM9x" at 3100,3300 h50
  text "RFM9x" at 4450,3300 h50
  text "RFM9x" at 5800,3300 h50
  text "RFM9x" at 7150,3300 h50
  text "RFM9x" at 400,2050 h50
  text "RFM9x" at 1750,2050 h50
  text "RFM9x" at 3100,2050 h50
  text "RFM9x" at 4450,2050 h50
  text "RFM9x" at 5800,2050 h50
  text "RFM9x" at 7150,2050 h50
  text "RFM9x" at 400,800 h50
  text "RFM9x" at 1750,800 h50
  text "RFM9x" at 3100,800 h50
  text "RFM9x" at 4450,800 h50
  text "RFM9x" at 5800,800 h50
  text "RFM9x" at 7150,800 h50
Mechanical 4:
  circle w10: c7160,8140 r20
  circle w10: c7160,3140 r20
  circle w10: c7160,9390 r20
  circle w10: c7160,5640 r20
  circle w10: c7160,1890 r20
  circle w10: c7160,10640 r20
  circle w10: c7160,6890 r20
  circle w10: c7160,4390 r20
  circle w10: c7160,640 r20
  circle w10: c4460,10640 r20
  circle w10: c3110,10640 r20
  circle w10: c1760,10640 r20
  circle w10: c410,10640 r20
  circle w10: c5810,10640 r20
  circle w10: c4460,9390 r20
  circle w10: c3110,9390 r20
  circle w10: c1760,9390 r20
  circle w10: c410,9390 r20
  circle w10: c5810,9390 r20
  circle w10: c4460,8140 r20
  circle w10: c3110,8140 r20
  circle w10: c1760,8140 r20
  circle w10: c410,8140 r20
  circle w10: c5810,8140 r20
  circle w10: c4460,6890 r20
  circle w10: c3110,6890 r20
  circle w10: c1760,6890 r20
  circle w10: c410,6890 r20
  circle w10: c5810,6890 r20
  circle w10: c4460,5640 r20
  circle w10: c3110,5640 r20
  circle w10: c1760,5640 r20
  circle w10: c410,5640 r20
  circle w10: c5810,5640 r20
  circle w10: c4460,4390 r20
  circle w10: c3110,4390 r20
  circle w10: c1760,4390 r20
  circle w10: c410,4390 r20
  circle w10: c5810,4390 r20
  circle w10: c4460,3140 r20
  circle w10: c3110,3140 r20
  circle w10: c1760,3140 r20
  circle w10: c410,3140 r20
  circle w10: c5810,3140 r20
  circle w10: c4460,1890 r20
  circle w10: c3110,1890 r20
  circle w10: c1760,1890 r20
  circle w10: c410,1890 r20
  circle w10: c5810,1890 r20
  circle w10: c5810,640 r20
  circle w10: c4460,640 r20
  circle w10: c3110,640 r20
  circle w10: c1760,640 r20
  circle w10: c410,640 r20
  rectangle: 7145,8125 7175,8155
  rectangle: 7145,9375 7175,9405
  rectangle: 7145,5625 7175,5655
  rectangle: 7145,1875 7175,1905
  rectangle: 7145,10625 7175,10655
  rectangle: 7145,6875 7175,6905
  rectangle: 7145,4375 7175,4405
  rectangle: 7145,3125 7175,3155
  rectangle: 7145,625 7175,655
  rectangle: 3095,10625 3125,10655
  rectangle: 1745,10625 1775,10655
  rectangle: 395,10625 425,10655
  rectangle: 5795,10625 5825,10655
  rectangle: 4445,10625 4475,10655
  rectangle: 3095,9375 3125,9405
  rectangle: 1745,9375 1775,9405
  rectangle: 395,9375 425,9405
  rectangle: 5795,9375 5825,9405
  rectangle: 4445,9375 4475,9405
  rectangle: 3095,8125 3125,8155
  rectangle: 1745,8125 1775,8155
  rectangle: 395,8125 425,8155
  rectangle: 5795,8125 5825,8155
  rectangle: 4445,8125 4475,8155
  rectangle: 3095,6875 3125,6905
  rectangle: 1745,6875 1775,6905
  rectangle: 395,6875 425,6905
  rectangle: 5795,6875 5825,6905
  rectangle: 4445,6875 4475,6905
  rectangle: 3095,5625 3125,5655
  rectangle: 1745,5625 1775,5655
  rectangle: 395,5625 425,5655
  rectangle: 5795,5625 5825,5655
  rectangle: 4445,5625 4475,5655
  rectangle: 3095,4375 3125,4405
  rectangle: 1745,4375 1775,4405
  rectangle: 395,4375 425,4405
  rectangle: 5795,4375 5825,4405
  rectangle: 4445,4375 4475,4405
  rectangle: 3095,3125 3125,3155
  rectangle: 1745,3125 1775,3155
  rectangle: 395,3125 425,3155
  rectangle: 5795,3125 5825,3155
  rectangle: 4445,3125 4475,3155
  rectangle: 3095,1875 3125,1905
  rectangle: 1745,1875 1775,1905
  rectangle: 395,1875 425,1905
  rectangle: 5795,1875 5825,1905
  rectangle: 4445,1875 4475,1905
  rectangle: 5795,625 5825,655
  rectangle: 4445,625 4475,655
  rectangle: 3095,625 3125,655
  rectangle: 1745,625 1775,655
  rectangle: 395,625 425,655
  text "TouYunG" at 410,10135 h25
  text "TouYunG" at 1760,10135 h25
  text "TouYunG" at 3110,10135 h25
  text "TouYunG" at 4460,10135 h25
  text "TouYunG" at 5810,10135 h25
  text "TouYunG" at 7160,10135 h25
  text "TouYunG" at 410,8885 h25
  text "TouYunG" at 1760,8885 h25
  text "TouYunG" at 3110,8885 h25
  text "TouYunG" at 4460,8885 h25
  text "TouYunG" at 5810,8885 h25
  text "TouYunG" at 7160,8885 h25
  text "TouYunG" at 410,7635 h25
  text "TouYunG" at 1760,7635 h25
  text "TouYunG" at 3110,7635 h25
  text "TouYunG" at 4460,7635 h25
  text "TouYunG" at 5810,7635 h25
  text "TouYunG" at 7160,7635 h25
  text "TouYunG" at 410,6385 h25
  text "TouYunG" at 1760,6385 h25
  text "TouYunG" at 3110,6385 h25
  text "TouYunG" at 4460,6385 h25
  text "TouYunG" at 5810,6385 h25
  text "TouYunG" at 7160,6385 h25
  text "TouYunG" at 410,5135 h25
  text "TouYunG" at 1760,5135 h25
  text "TouYunG" at 3110,5135 h25
  text "TouYunG" at 4460,5135 h25
  text "TouYunG" at 5810,5135 h25
  text "TouYunG" at 7160,5135 h25
  text "TouYunG" at 410,3885 h25
  text "TouYunG" at 1760,3885 h25
  text "TouYunG" at 3110,3885 h25
  text "TouYunG" at 4460,3885 h25
  text "TouYunG" at 5810,3885 h25
  text "TouYunG" at 7160,3885 h25
  text "TouYunG" at 410,2635 h25
  text "TouYunG" at 1760,2635 h25
  text "TouYunG" at 3110,2635 h25
  text "TouYunG" at 4460,2635 h25
  text "TouYunG" at 5810,2635 h25
  text "TouYunG" at 7160,2635 h25
  text "TouYunG" at 410,1385 h25
  text "TouYunG" at 1760,1385 h25
  text "TouYunG" at 3110,1385 h25
  text "TouYunG" at 4460,1385 h25
  text "TouYunG" at 5810,1385 h25
  text "TouYunG" at 7160,1385 h25
  text "TouYunG" at 410,135 h25
  text "TouYunG" at 1760,135 h25
  text "TouYunG" at 3110,135 h25
  text "TouYunG" at 4460,135 h25
  text "TouYunG" at 5810,135 h25
  text "TouYunG" at 7160,135 h25

## Text inside footprints (layer, text, board x,y; h text height)
RFM9x: Top Overlay "IC" at 7315,7774 h40
RFM9x: Top Overlay "IC" at 7315,10274 h40
RFM9x: Top Overlay "IC" at 7315,9024 h40
RFM9x: Top Overlay "IC" at 7315,6524 h40
RFM9x: Top Overlay "IC" at 7315,5274 h40
RFM9x: Top Overlay "IC" at 7315,4024 h40
RFM9x: Top Overlay "IC" at 7315,2774 h40
RFM9x: Top Overlay "IC" at 7315,1524 h40
RFM9x: Top Overlay "IC" at 7315,274 h40
RFM9x: Top Overlay "IC" at 5965,10274 h40
RFM9x: Top Overlay "IC" at 4615,10274 h40
RFM9x: Top Overlay "IC" at 3265,10274 h40
RFM9x: Top Overlay "IC" at 1915,10274 h40
RFM9x: Top Overlay "IC" at 565,10274 h40
RFM9x: Top Overlay "IC" at 5965,9024 h40
RFM9x: Top Overlay "IC" at 4615,9024 h40
RFM9x: Top Overlay "IC" at 3265,9024 h40
RFM9x: Top Overlay "IC" at 1915,9024 h40
RFM9x: Top Overlay "IC" at 565,9024 h40
RFM9x: Top Overlay "IC" at 5965,7774 h40
RFM9x: Top Overlay "IC" at 4615,7774 h40
RFM9x: Top Overlay "IC" at 3265,7774 h40
RFM9x: Top Overlay "IC" at 1915,7774 h40
RFM9x: Top Overlay "IC" at 565,7774 h40
RFM9x: Top Overlay "IC" at 5965,6524 h40
RFM9x: Top Overlay "IC" at 4615,6524 h40
RFM9x: Top Overlay "IC" at 3265,6524 h40
RFM9x: Top Overlay "IC" at 1915,6524 h40
RFM9x: Top Overlay "IC" at 565,6524 h40
RFM9x: Top Overlay "IC" at 5965,5274 h40
RFM9x: Top Overlay "IC" at 4615,5274 h40
RFM9x: Top Overlay "IC" at 3265,5274 h40
RFM9x: Top Overlay "IC" at 1915,5274 h40
RFM9x: Top Overlay "IC" at 565,5274 h40
RFM9x: Top Overlay "IC" at 5965,4024 h40
RFM9x: Top Overlay "IC" at 4615,4024 h40
RFM9x: Top Overlay "IC" at 3265,4024 h40
RFM9x: Top Overlay "IC" at 1915,4024 h40
RFM9x: Top Overlay "IC" at 565,4024 h40
RFM9x: Top Overlay "IC" at 5965,2774 h40
RFM9x: Top Overlay "IC" at 4615,2774 h40
RFM9x: Top Overlay "IC" at 3265,2774 h40
RFM9x: Top Overlay "IC" at 1915,2774 h40
RFM9x: Top Overlay "IC" at 565,2774 h40
RFM9x: Top Overlay "IC" at 5965,1524 h40
RFM9x: Top Overlay "IC" at 4615,1524 h40
RFM9x: Top Overlay "IC" at 3265,1524 h40
RFM9x: Top Overlay "IC" at 1915,1524 h40
RFM9x: Top Overlay "IC" at 565,1524 h40
RFM9x: Top Overlay "IC" at 5965,274 h40
RFM9x: Top Overlay "IC" at 4615,274 h40
RFM9x: Top Overlay "IC" at 3265,274 h40
RFM9x: Top Overlay "IC" at 1915,274 h40
RFM9x: Top Overlay "IC" at 565,274 h40